# Altium PCB RevA2.PcbDoc (part 3 of 6)
Units mm, origin at the board's own origin, x right, y up, seen from the top; angles counter-clockwise.
Board outline 173 x 171 mm, 2 copper layers (Top Layer, Top, Bottom Layer, Bottom); 316 components, 437 nets, 1976 pads, 936 vias.
Unrouted connection lines stored in the file: 219.
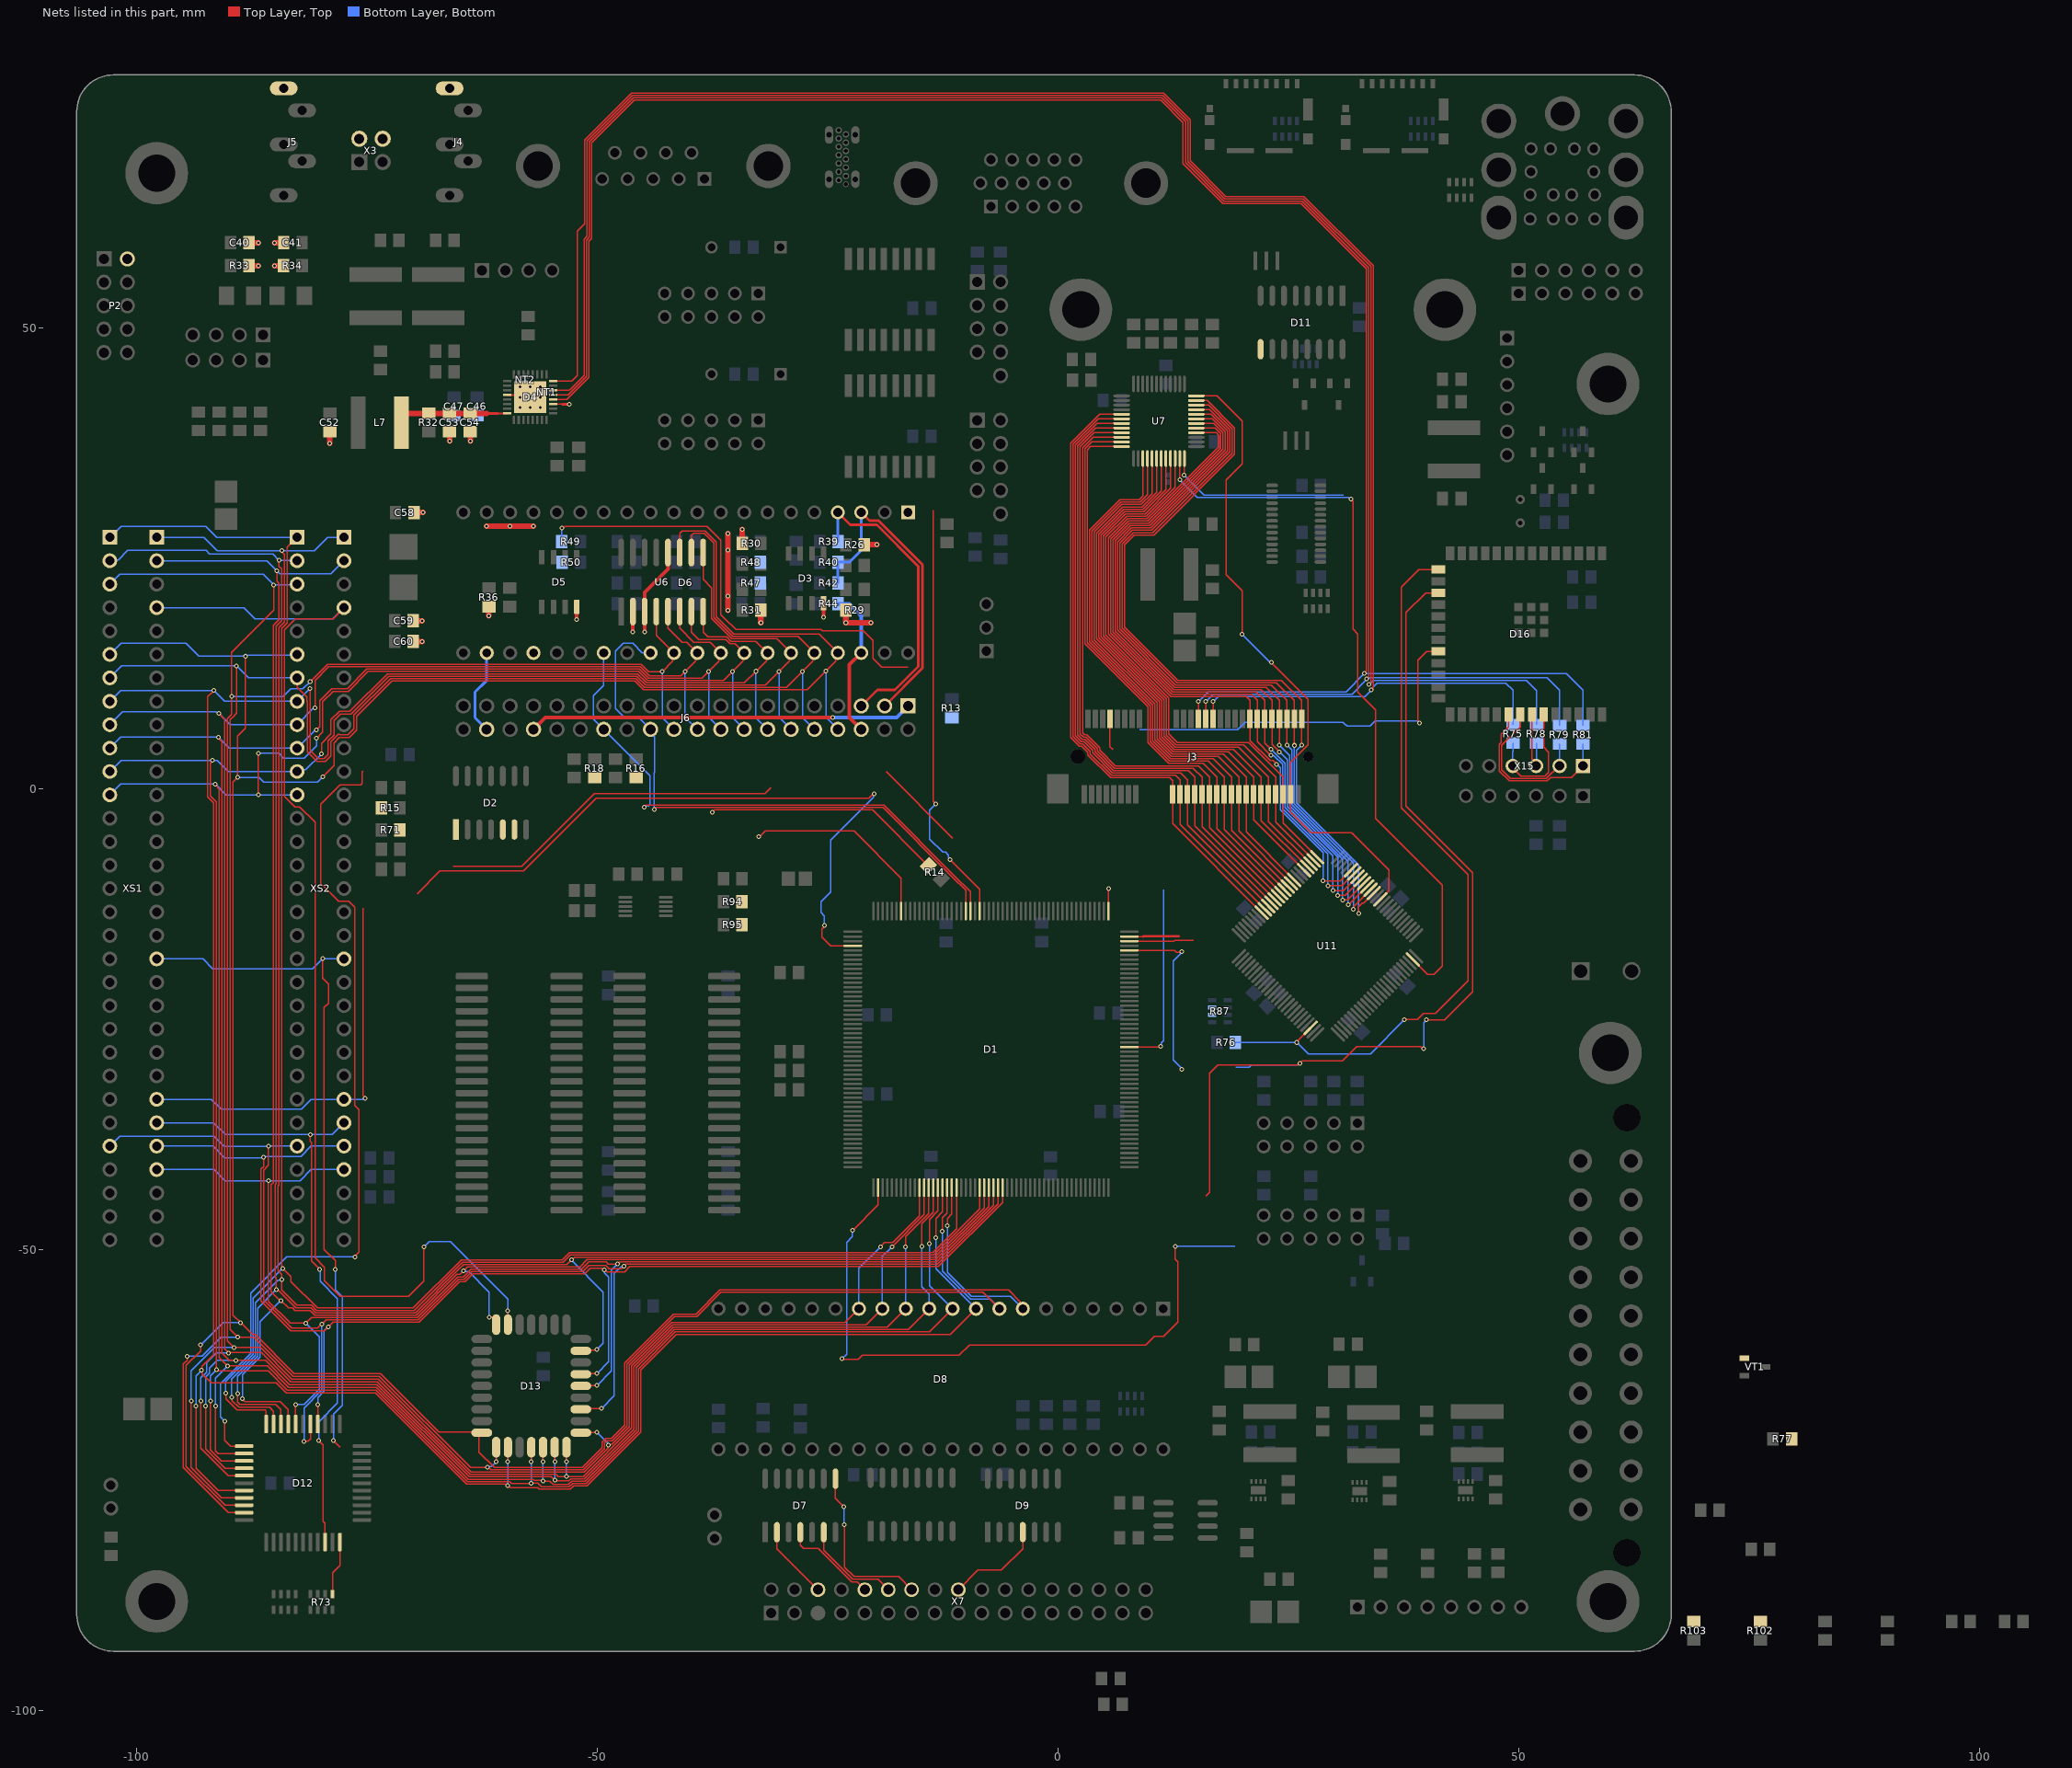
[diagram p3: the nets of this part, all layers, seen from the top]

## Via types
v1: diameter 0.5, hole 0.3, Top Layer, Top to Bottom Layer, Bottom, tented both sides, 925 vias
v2: diameter 0.5, hole 0.2, Top Layer, Top to Bottom Layer, Bottom, 6 vias
v3: diameter 1, hole 0.5, Top Layer, Top to Bottom Layer, Bottom, tented both sides, 4 vias
v4: diameter 1, hole 0.5, Top Layer, Top to Bottom Layer, Bottom, 1 vias

## Nets (pads, with @x,y where several pads share a name; then routed paths per layer and width w, separated by ;. In a path a pad name is that pad's centre, name@x,y a point inside that pad or via, vN(x,y) a via of type N, cw(c..) or ccw(c..) an arc to the next point about the centre after c; other vN are vias at no path point) (continued)
A9: D1.29 D12.37 D13.26 XS1.A27 XS2.A27 | length 151.2
  Top Layer, Top w0.127: v1(-86.19,-39.935) -86.19,-40.952 -86.483,-41.246 -86.483,-55.541 -83.236,-58.788 -79.588,-58.788 -78.638,-57.837 -69.3,-57.837 -64.899,-53.437 -64.294,-53.437 -63.467,-52.609 -51.345,-52.609 -50.742,-52.006 -49.479,-52.006 -49.389,-52.097 -49.309,-52.097 -49.219,-52.006 v1(-49.219,-52.17) ; D12.37@-80.3,-68.9 v1(-80.3,-66.8) ; D13.26@-51.42,-63.465 -51.4,-63.445 -50.045,-63.445 v1(-50,-63.4) ; v1@-49.219,-52.069 -48.908,-52.379 -47.001,-52.379 -46.444,-51.822 -12.947,-51.822 -6,-44.875 D1.29@-6,-43.25
  Bottom Layer, Bottom w0.127: XS1.A27@-97.78,-38.75 -91.656,-38.75 -90.406,-40 -86.255,-40 -86.132,-39.877 -82.146,-39.877 -81.02,-38.75 XS2.A27@-77.46,-38.75 ; v1(-80.3,-66.8) -80.3,-66.016 -79.607,-65.324 -79.607,-58.807 v1(-79.157,-58.357) ; v1(-50,-63.4) -48.727,-62.126 -48.727,-52.941 -49.174,-52.494 -49.174,-52.214 v1(-49.219,-52.17)
A10: D1.28 D12.38 D13.23 XS1.B27 XS2.B27 | length 161.5
  Top Layer, Top w0.127: v1(-85.649,-38.748) -85.649,-40.836 -86.183,-41.37 -86.183,-55.416 -83.112,-58.488 -80.307,-58.488 -79.403,-57.583 -69.405,-57.583 -65.004,-53.183 -64.399,-53.183 -63.572,-52.355 -51.515,-52.355 -50.866,-51.706 -49.027,-51.706 -48.706,-52.027 -47.342,-52.027 -47.092,-51.778 v1(-47.055,-51.778) -46.845,-51.568 -13.053,-51.568 -6.5,-45.015 D1.28@-6.5,-43.25 ; v1(-81.8,-70.8) -81.781,-70.781 -81.376,-70.781 -81.1,-70.504 D12.38@-81.1,-68.9 ; D13.23@-51.385,-67.24 -51.36,-67.215 -49.515,-67.215 v1(-49.5,-67.2)
  Bottom Layer, Bottom w0.127: XS1.B27@-103.035,-38.925 -101.785,-37.675 -91.575,-37.675 -90.45,-38.8 -85.701,-38.8 v1(-85.649,-38.748) ; v1@-85.648,-38.749 XS2.B27@-82.54,-38.75 ; v1(-81.8,-70.8) -81.8,-67.157 -79.861,-65.219 v1(-79.861,-58.041) ; v1(-49.5,-67.2) -48.127,-65.827 -48.127,-52.556 -47.412,-51.841 -47.118,-51.841 v1(-47.055,-51.778)
A11: D1.27 D12.40 D13.25 XS1.A28 XS2.A28 | length 150.3
  Top Layer, Top w0.127: v1(-85.646,-42.496) -85.646,-55.594 -83.292,-57.948 v1(-81.604,-57.948) -80.985,-57.329 -69.51,-57.329 -65.109,-52.929 -64.504,-52.929 -63.677,-52.101 -51.686,-52.101 -50.899,-51.314 -48.994,-51.314 -48.781,-51.527 -47.855,-51.527 v1@-47.855,-51.419 ; D12.40@-82.7,-68.9 v1(-82.7,-66.785) ; D13.25@-51.385,-64.7 -51.355,-64.73 -50.03,-64.73 v1(-50,-64.7) ; v1(-47.75,-51.524) v1@-47.855,-51.419 ; D1.27@-7,-43.25 -7,-45.156 -13.158,-51.314 -47.489,-51.314 -47.602,-51.428 -47.846,-51.428 v1@-47.855,-51.419
  Bottom Layer, Bottom w0.127: XS1.A28@-97.78,-41.29 -91.557,-41.29 -90.347,-42.5 -85.649,-42.5 v1(-85.646,-42.496) -85.643,-42.5 -82.23,-42.5 -81.02,-41.29 XS2.A28@-77.46,-41.29 ; v1(-82.7,-66.785) -81.786,-66.785 -80.115,-65.113 -80.115,-59.437 v1(-81.604,-57.948) ; v1(-50,-64.7) -48.427,-63.127 -48.427,-52.2 v1(-47.75,-51.524)
A12: D1.26 D12.41 D13.4 XS1.A2 XS2.A2 | length 213.1
  Top Layer, Top w0.127: v1(-88.475,-66.149) -88.475,-66.203 -88.193,-66.485 -84.355,-66.485 -83.5,-67.34 D12.41@-83.5,-68.9 ; v1(-84.743,23.662) -84.743,22.538 -84.515,22.31 -84.515,18.373 -85.117,17.77 -85.117,-42.71 -85.346,-42.939 -85.346,-54.567 -84.413,-55.5 v1(-84.3,-55.5) -83.486,-56.313 -83.032,-56.313 -82.778,-56.567 -81.147,-56.567 -80.639,-57.075 -69.615,-57.075 -65.192,-52.652 -64.883,-52.652 -64.078,-51.847 -51.856,-51.847 -51.069,-51.06 -13.263,-51.06 -7.5,-45.297 D1.26@-7.5,-43.25 ; v1(-61.7,-57.3) -61.081,-57.3 -60.91,-57.471 D13.4@-60.91,-57.842
  Bottom Layer, Bottom w0.127: XS1.A2@-97.78,24.75 -85.831,24.75 -84.422,23.341 -78.869,23.341 XS2.A2@-77.46,24.75 ; v1(-88.475,-66.149) -88.475,-63.542 -86.566,-61.633 -86.566,-57.766 v1(-84.3,-55.5) ; v1(-64.484,-52.253) -64.412,-52.324 -64.254,-52.324 -64.223,-52.355 -63.93,-52.355 -61.7,-54.585 v1(-61.7,-57.3)
A13: D1.25 D12.42 D13.28 XS1.B2 XS2.B2 | length 219
  Top Layer, Top w0.127: v1(-89,-65.613) -89,-66.525 -88.74,-66.785 -84.846,-66.785 -84.3,-67.331 D12.42@-84.3,-68.9 ; v1(-84.503,24.81) -84.503,24.165 -84.215,23.876 -84.215,18.248 -84.817,17.646 -84.817,-42.834 -84.925,-42.942 -84.925,-52.899 -84.8,-53.024 v1(-84.8,-54.3) -84.687,-54.3 -82.673,-56.313 -81.042,-56.313 -80.534,-56.821 -69.721,-56.821 -65.001,-52.101 -64.988,-52.101 -64.48,-51.593 -53.297,-51.593 -52.792,-51.088 -52.723,-51.088 -52.441,-50.806 -13.368,-50.806 -8,-45.438 D1.25@-8,-43.25 ; D13.28@-51.385,-60.89 -51.37,-60.875 -50.075,-60.875 v1(-50,-60.8)
  Bottom Layer, Bottom w0.127: XS1.B2@-102.86,24.75 -102.754,24.856 -101.923,24.856 -100.916,25.863 -92.413,25.863 -92.05,25.5 -85.193,25.5 v1(-84.503,24.81) -84.473,24.78 -82.57,24.78 XS2.B2@-82.54,24.75 ; v1(-89,-65.613) -89,-63.708 -86.82,-61.528 -86.82,-56.32 v1(-84.8,-54.3) ; v1(-52.754,-51.088) -52.754,-51.144 -49.327,-54.571 -49.327,-60.127 v1(-50,-60.8)
A14: D1.24 D12.43 XS1.A1 XS2.A1 | length 207.9
  Top Layer, Top w0.127: v1(-89.65,-65.987) -89.585,-66.052 -89.585,-66.364 -88.864,-67.085 -85.517,-67.085 -85.1,-67.501 D12.43@-85.1,-68.9 ; v1(-84.218,25.853) -84.218,25.731 -83.915,25.427 -83.915,18.124 -84.517,17.522 -84.517,-42.958 -84.625,-43.066 -84.625,-52.217 -84.215,-52.627 -84.215,-53.185 v1(-84.2,-53.2) -84.2,-54.362 -82.549,-56.013 -80.983,-56.013 -80.429,-56.567 -69.826,-56.567 -64.965,-51.706 -64.952,-51.706 -64.585,-51.339 -53.66,-51.339 -52.873,-50.552 -13.473,-50.552 -8.5,-45.579 D1.24@-8.5,-43.25
  Bottom Layer, Bottom w0.127: XS1.A1@-97.78,27.29 -92.644,27.29 -91.207,25.853 v1(-84.218,25.853) -80.702,25.853 -79.255,27.3 XS2.A1@-77.4,27.3 ; v1(-89.65,-65.987) -89.65,-63.998 -87.074,-61.423 -87.074,-55.761 -84.599,-53.286 -84.286,-53.286 v1(-84.2,-53.2)
A15: D1.19 D12.44 XS1.B1 XS2.B1 | length 208
  Top Layer, Top w0.127: v1(-90.268,-65.563) -90.268,-66.166 -89.062,-67.372 -89.001,-67.372 -88.989,-67.385 -85.988,-67.385 -85.9,-67.473 D12.44@-85.9,-68.9 ; XS2.B1@-82.525,27.275 -82.555,27.275 -83.601,26.229 -83.601,25.21 -83.615,25.196 -83.615,19.225 -83.601,19.211 -83.601,18.014 -84.215,17.4 -84.215,-51.763 -84.1,-51.878 v1(-84.1,-52) -84.1,-52.1 -84,-52.1 -83.2,-52.9 -83.2,-53.437 -80.324,-56.313 -69.931,-56.313 -64.703,-51.085 -53.766,-51.085 -52.978,-50.298 -13.579,-50.298 -11,-47.719 D1.19@-11,-43.25
  Bottom Layer, Bottom w0.127: XS1.B1@-103.037,27.113 -101.65,28.5 -92.437,28.5 -91.237,27.3 XS2.B1@-82.5,27.3 ; v1(-90.268,-65.563) -90.3,-65.531 -90.3,-64.289 -87.328,-61.317 -87.328,-55.228 v1(-84.1,-52)
AC97_CLK_1: D4.11 R94.2 | length 1.8
  Top Layer, Top w0.127: D4.11@-54.775,41.75 -53.75,41.75
  Top Layer, Top w0.3: -53.75,41.75 v1(-53,41.75)
ADCDAT_1: D4.16 J3.28 R75.1 | length 212.4
  Top Layer, Top w0.127: D4.16@-54.775,44.25 -52.737,44.25 -52.149,44.838 -52.149,60.529 -51.344,61.334 -51.344,70.417 -46.27,75.492 11.47,75.492 14.357,72.605 14.357,68.14 18.234,64.262 26.715,64.262 34.221,56.756 34.221,10.985 34.012,10.775 v1(34.012,10.724) ; J3.28@16.85,7.6 v1(16.85,9.488)
  Bottom Layer, Bottom w0.127: v1(16.85,9.488) 17.397,10.035 33.323,10.035 v1(34.012,10.724) 34.158,10.724 34.083,10.799 34.083,10.896 34.158,10.971 34.158,11 34.642,11.484 48.607,11.484 49.38,10.711 R75.1@49.38,7
ADCDAT_12: D16.35 R75.2 X15.4 | length 13.7
  Top Layer, Top w0.127: X15.4@49.362,2.5 49.362,2.238 50.22,1.38 52.833,1.38 53.25,1.797 53.25,4 52.722,4.528 D16.35@52.722,8.075
  Bottom Layer, Bottom w0.127: X15.4@49.362,2.5 49.362,4.057 49.38,4.075 R75.2@49.38,5
AGND: C40.1 C41.1 C46.2 C47.2 C52.2 C53.2 C54.2 C58.2 C59.2 C60.2 D3.4 D4.28 D4.33 D5.4 D6.1 D6.24 J4.1 J5.1 J6.1 J6.34 NT1.2 NT2.1 P2.2 R26.2 R29.1 R30.2 R31.2 R33.1 R34.1 R36.1 R47.2 R48.2 R50.1 U6.2 U6.3 U6.12 X3.2 X3.4 | length 90.9
  Top Layer, Top w0.127: D4.33@-58.6,42.75 v1(-58.35,42.5)
  Top Layer, Top w0.2: D4.28@-59.725,42.75 D4.33@-58.6,42.75 ; D4.33@-57.5,42.75 v1(-57.25,42.5)
  Top Layer, Top w0.4: J6.34@-56.89,6.46 -55.585,7.765 v1(-24.432,7.765) ; v1(-52.19,18.4) D5.4@-52.19,19.75 ; v1(-46.11,17.02) U6.2@-46.11,19.245 ; v1(-44.84,17.02) U6.3@-44.84,19.245 -44.84,21.319 -42.3,23.859 U6.12@-42.3,25.25 ; v1(-25.42,18.65) D3.4@-25.42,20.15
  Top Layer, Top w0.6: R33.1@-87.75,56.75 v1(-86.75,56.75) ; C40.1@-87.75,59.25 v1(-86.75,59.25) ; C40.1@-87.75,59.45 C40.1@-87.701,59.401 ; v1(-85,56.75) R34.1@-84,56.75 ; v1(-85,59.25) C41.1@-84,59.25 ; v1(-79,37.5) C52.2@-79,38.75 ; C60.2@-69.954,16 v1(-68.954,16) ; C59.2@-69.954,18.25 v1(-68.954,18.25) ; C58.2@-69.86,30 v1(-68.86,30) ; v1(-66,37.75) C53.2@-66,38.75 ; v1(-63.75,37.75) C54.2@-63.75,38.75 ; v1(-61.97,28.5) v1(-59.43,28.5) v1(-56.89,28.5) ; v1(-61.73,18.775) R36.1@-61.73,19.775 ; v1(-35.808,19.4) v1(-35.808,20.925) v1(-35.808,25.925) v1(-35.808,27.72) ; R30.2@-34.23,26.65 v1(-34.23,28.15) ; v1(-32.23,18.034) R31.2@-32.23,19.4 ; R29.1@-23,19.39 v1(-23,18.024) v1(-20.293,18.024) ; R26.2@-21,26.5 v1(-19.634,26.5)
  Bottom Layer, Bottom w0.4: v1(-24.432,7.765) -17.485,7.765 J6.1@-16.25,9
  other v1: -58.35,41.4 -57.25,41.4 -56.15,41.4 -56.15,42.5 -58.35,43.6 -57.25,43.6 -56.15,43.6
ATX_POWERON_1: R77.2 VT1.1
AVDD: C53.1 C54.1 D4.32 L7.2 R32.2 | length 11.5
  Top Layer, Top w0.2: -60.75,40.75 D4.32@-59.725,40.75
  Top Layer, Top w0.3: -62,40.75 -60.75,40.75
  Top Layer, Top w0.6: L7.2@-71.25,40.75 R32.2@-68.25,40.75 C53.1@-66,40.75 C54.1@-63.75,40.75 -62,40.75
AY_BC1_1: D1.136 D6.29 J6.24 | length 64.3
  Top Layer, Top w0.127: v1(-43.795,-2.225) -43.743,-2.225 -43.534,-2.016 -18.967,-2.016 -11.406,-9.577 -11.406,-9.581 -10,-10.987 D1.136@-10,-13.25
  Bottom Layer, Bottom w0.127: J6.24@-44.19,6.46 -45.46,7.73 -47.016,7.73 -48,8.714 -48,14.957 -47.16,15.797 -46.104,15.797 -45.089,14.782 -44.212,14.782 D6.29@-44.19,14.76 ; v1(-43.795,-2.225) -43.795,1.762 -43.75,1.807 -43.75,5.622 -43.899,5.771 -43.899,6.311 J6.24@-43.75,6.46
AY_BDIR_1: D1.135 D6.27 J6.28 | length 61.7
  Top Layer, Top w0.127: v1(-44.896,-1.971) -44.844,-1.971 -44.635,-1.762 -18.862,-1.762 -11.152,-9.472 -11.152,-9.475 -9.5,-11.128 D1.135@-9.5,-13.25
  Bottom Layer, Bottom w0.127: D6.27@-49.27,14.76 -49.27,11.23 -50.37,10.13 -50.37,7.56 J6.28@-49.27,6.46 -44.235,1.425 -44.235,-1.685 -44.419,-1.869 -44.635,-1.869 -44.666,-1.9 -44.824,-1.9 v1(-44.896,-1.971)
AY_CLK_1: D6.22 J6.38 R95.2 | length 9.3
  Bottom Layer, Bottom w0.3: J6.38@-61.97,6.46 -63.237,7.727 -63.237,10.513 -61.97,11.78 D6.22@-61.97,14.76
B\L\A\N\K\_1: D1.100 J3.8 R102.2 U7.11 U11.99 | length 103.5
  Top Layer, Top w0.127: J3.8@5.65,7.6 5.65,4.595 5.975,4.27 ; D1.100@7.75,-17.5 12.688,-17.5 12.888,-17.7 13.379,-17.7 v1(13.424,-17.655) ; v1(13.225,33.541) U7.11@13.225,35.845 ; v1(31.815,31.451) 31.815,31.4 32.024,31.19 32.024,17.335 32.532,16.827 32.532,10.5 34.475,8.557 34.475,-3.21 41.714,-10.449 41.714,-19.204 40.817,-20.102 40.128,-20.102 U11.99@38.526,-18.5
  Bottom Layer, Bottom w0.127: v1(13.225,33.541) 15.127,31.639 31.554,31.639 31.741,31.451 v1(31.815,31.451) ; v1(13.424,-30.406) 13.424,-30.318 12.507,-29.401 12.507,-18.693 13.424,-17.776 v1(13.424,-17.655)
B\L\K\_\V\I\D\E\O\_1: D1.102 R103.2 | length 7
  Top Layer, Top w0.127: D1.102@7.75,-16.5 12.625,-16.5 12.692,-16.433 14.706,-16.433
B\U\S\A\: D12.20 XS1.A26 XS2.A26 | length 67.7
  Top Layer, Top w0.127: v1(-81.125,-37.5) -81.125,-38.22 -81,-38.345 -81,-51.2 v1(-80.1,-52.1) ; v1(-80.2,-70.7) -79.725,-71.175 -79.725,-79.416 -79.52,-79.621 D12.20@-79.5,-81.7
  Bottom Layer, Bottom w0.127: XS1.A26@-97.78,-36.21 -91.606,-36.21 -90.316,-37.5 -78.75,-37.5 XS2.A26@-77.46,-36.21 ; v1@-80.2,-70.5 -80.2,-68.672 -78.159,-66.632 -78.159,-55.281 -80.025,-53.416 -80.025,-52.175 v1(-80.1,-52.1)
B\U\S\R\: D12.22 R73.1 XS1.A19 XS2.A19 | length 82.2
  Top Layer, Top w0.127: v1(-79.775,-18.4) -79.775,-20.527 -79.152,-21.15 -79.152,-23.257 -79.613,-23.719 -79.613,-29.447 -79.617,-29.45 -79.617,-49.931 -78.4,-51.148 v1(-78.4,-52.1) ; R73.1@-78.7,-87.35 -78.7,-85.05 -77.9,-84.25 D12.22@-77.9,-81.7 ; v1(-78.6,-70.7) -77.9,-71.4 ; XS2.A19@-77.5,-18.47 XS2.A19@-77.5,-18.4
  Bottom Layer, Bottom w0.127: XS1.A19@-97.78,-18.43 -92.77,-18.43 -91.695,-19.505 -80.88,-19.505 v1(-79.775,-18.4) ; v1@-79.775,-18.43 -79.76,-18.415 -77.475,-18.415 XS2.A19@-77.46,-18.43 ; v1(-78.6,-70.7) -78.6,-67.791 -77.651,-66.842 -77.651,-55.071 -78.4,-54.322 v1(-78.4,-52.1)
BCLK_1: D4.12 J3.24 R81.1 | length 220.1
  Top Layer, Top w0.127: D4.12@-54.754,42.25 -53.3,42.25 -52.402,43.148 -50.896,44.654 -50.896,59.424 -50.582,59.738 -50.582,70.102 -45.954,74.73 11.154,74.73 13.595,72.289 13.595,67.824 17.919,63.5 26.4,63.5 33.459,56.441 33.459,12.78 33.25,12.57 v1(33.25,12.519)
  Top Layer, Top w0.15: J3.24@15.25,7.6 v1(15.25,9.488)
  Bottom Layer, Bottom w0.127: v1(15.25,9.488) 16.305,10.543 31.274,10.543 v1(33.25,12.519) 55.192,12.519 57,10.711 R81.1@57,6.875
BCLK_12: D16.32 R81.2 X15.1 | length 19.1
  Top Layer, Top w0.127: D16.32@48.912,8.075 48.912,6.745 48.092,5.925 48.092,5.019 47.918,4.845 47.918,1.958 49.004,0.872 53.108,0.872 53.486,1.25 55.732,1.25 X15.1@56.982,2.5
  Bottom Layer, Bottom w0.127: X15.1@56.982,2.5 56.982,3.932 57,3.95 R81.2@57,4.875
BEEP_1: D1.133 R13.1 R49.2 | length 97.6
  Top Layer, Top w0.127: v1(-53.812,28.32) -53.69,28.32 -53.508,28.503 -38.058,28.503 -36.55,26.995 -36.55,18.905 -36.106,18.461 -34.947,17.302 -25.694,17.302 -25.538,17.146 -21.105,17.146 -20.043,16.084 -20.043,15.701 -20.043,14.165 -19.083,13.206 -16.25,13.206 ; -13.537,30.25 -13.537,-1.337 -13.25,-1.624 v1(-13.25,-1.65) ; v1(-11.681,-7.681) -8.5,-10.862 D1.133@-8.5,-13.25
  Bottom Layer, Bottom w0.127: R49.2@-53.812,26.845 v1(-53.812,28.32) ; v1(-13.25,-1.65) -13.925,-2.325 -13.925,-5.437 -12.494,-6.868 -12.176,-6.868 -11.868,-7.176 -11.868,-7.372 -11.681,-7.559 v1(-11.681,-7.681)
C\O\N\F\I\G\_1: D1.105 D16.22 R87.3 | length 43.2
  Top Layer, Top w0.127: D1.105@5.5,-13.25 v1(5.5,-10.829) ; v1(39.257,7.166) 39.257,7.217 39.047,7.427 39.047,13.957 40.01,14.92 D16.22@41.312,14.92
  Bottom Layer, Bottom w0.127: 8.876,6.439 19.527,6.439 20.33,7.241 30.954,7.241 31.102,7.094 31.373,6.822 33.896,6.822 34.449,7.375 38.996,7.375 39.205,7.166 v1(39.257,7.166)
C\P\L\D\_\S\S\E\L\_1: D16.15 R76.2 U11.73 | length 81.8
  Top Layer, Top w0.127: v1(25.942,-27.5) 25.942,-27.408 U11.73@27.425,-25.925 ; v1(37.587,-25.022) 39.017,-25.022 39.662,-24.378 40.947,-24.378 44.508,-20.817 44.508,-9.292 37.269,-2.053 37.269,21.886 39.193,23.81 D16.15@41.312,23.81
  Bottom Layer, Bottom w0.127: R76.2@19.25,-27.5 v1(25.942,-27.5) 27.192,-28.75 33.914,-28.75 37.587,-25.078 v1(37.587,-25.022)
C\S\R\O\M\_1: D2.6 R71.2 XS1.A25 XS2.A25 | length 82.3
  Top Layer, Top w0.127: -75.38,-12.914 -75.38,-33.243 -75.155,-33.468 v1(-75.155,-33.556) ; -65.612,-8.38 -64.848,-8.38 -58.166,-8.38 -50.279,-0.492 -31.792,-0.492 -31.15,0.15
  Bottom Layer, Bottom w0.127: XS1.A25@-97.78,-33.67 -91.83,-33.67 -90.755,-34.745 -82.095,-34.745 -81.02,-33.67 XS2.A25@-77.46,-33.67 -77.43,-33.7 -75.421,-33.7 -75.277,-33.556 v1(-75.155,-33.556)
C\S\Y\N\C\_5: U7.12 | length 20
  Top Layer, Top w0.127: v1(13.71,34.026) 13.725,34.041 U7.12@13.725,35.845
  Bottom Layer, Bottom w0.127: v1(13.71,34.026) 15.844,31.893 30.978,31.893
CHA_3: D6.4 J6.5 R39.2 | length 33.2
  Top Layer, Top w0.3: D6.4@-23.87,30 -23.87,29.995 -22.525,28.65 -19.641,28.65 -15.133,24.142 -15.133,13.293 -17.676,10.75 -19.58,10.75 J6.5@-21.33,9
  Bottom Layer, Bottom w0.3: D6.4@-23.87,30 -23.87,26.864 R39.2@-23.851,26.845
CHB_3: D6.3 J6.3 R40.2 R42.2 | length 35.4
  Top Layer, Top w0.3: D6.3@-21.33,30 -20.43,29.1 -19.455,29.1 -14.683,24.328 -14.683,13.107 J6.3@-18.79,9
  Bottom Layer, Bottom w0.3: R42.2@-23.851,22.345 R40.2@-23.851,24.595 -22.625,24.595 -21.33,25.89 D6.3@-21.33,30
CHC_3: D6.38 J6.6 R44.2 | length 16.5
  Top Layer, Top w0.4: J6.6@-21.33,6.46 -22.614,7.744 -22.614,13.476 D6.38@-21.33,14.76
  Bottom Layer, Bottom w0.4: R44.2@-23.851,20.095 -22.625,20.095 -21.33,18.8 D6.38@-21.33,14.76
CLKZ_1: D12.1 R15.2 | length 91.3
  Top Layer, Top w0.127: v1(-90.4,-68.6) -90.4,-70.641 -89.742,-71.3 D12.1@-88.3,-71.3 ; v1(-76.277,-50.766) -76.277,-50.703 -75.825,-50.25 -75.825,-34.786 -76.28,-34.33 -76.28,-12.824 -76.92,-12.185 -78.029,-12.185 -80,-10.214 -80,-1.669 -77.905,0.425 -75.661,0.425 -75.485,0.601 -75.485,1.862 -75.397,1.95
  Bottom Layer, Bottom w0.127: v1(-90.4,-68.6) -90.875,-68.125 -90.875,-64.505 -87.582,-61.212 -87.582,-54.669 -83.663,-50.75 -76.293,-50.75 v1(-76.277,-50.766)
CLKZ_IN_1: D1.79 R16.2 | length 30.8
  Top Layer, Top w0.127: -18.625,1.875 -11.4,-5.35 ; D1.79@7.75,-28 11.123,-28 v1(11.174,-27.949)
  Bottom Layer, Bottom w0.127: v1(11.174,-27.949) 11.232,-27.89 11.232,-27.564 11.491,-27.306 11.491,-10.956
CLKZ_OUT_1: D2.1 R14.2 | length 26.1
  Top Layer, Top w0.127: v1(-37.5,-2.55) -37.487,-2.55 -37.207,-2.27 -20.111,-2.27 R14.2@-14.05,-8.331
CONFDONE_1: D1.2 D16.17 R87.2 | length 176.4
  Top Layer, Top w0.127: v1(-23.428,-61.82) -23.391,-61.856 -23.095,-61.856 -23.087,-61.864 -21.632,-61.864 -21.213,-61.445 -10.702,-61.445 -9.583,-60.326 9.547,-60.326 10.485,-59.388 11.474,-59.388 13.031,-57.832 13.031,-51.305 12.73,-51.003 v1(12.73,-49.634) ; v1(-22.273,-47.883) -19.5,-45.109 D1.2@-19.5,-43.25 ; 16.091,-44.142 16.472,-43.761 16.472,-30.849 17.363,-29.958 25.989,-29.958 26.197,-29.75 v1(26.25,-29.75) 26.25,-29.746 26.524,-29.472 30.91,-29.472 32.435,-27.947 39.357,-27.947 39.582,-28.172 v1(39.67,-28.172) ; v1(40.007,-25.022) 40.037,-25.051 41.986,-25.051 45.016,-22.021 45.016,-9.082 37.777,-1.843 37.777,19.147 39.9,21.27 D16.17@41.312,21.27